# Altium PCB TUN7_PCB.PcbDoc
Units mm, origin at the board's own origin, x right, y up, seen from the top; angles counter-clockwise.
Board outline 135 x 55 mm, 2 copper layers (Top Layer, Bottom Layer); 144 components, 90 nets, 471 pads, 436 vias.
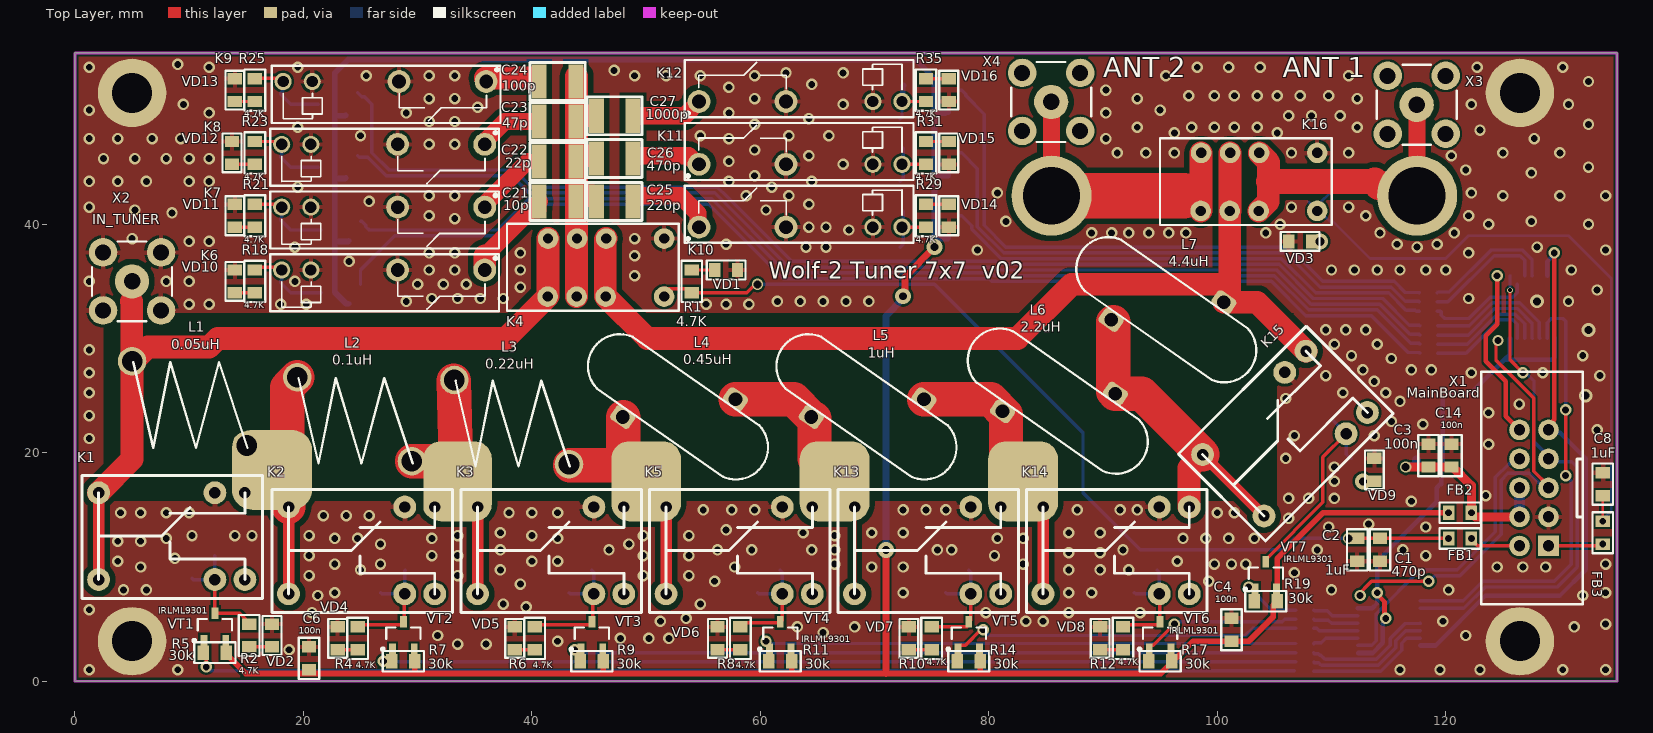
[diagram p0: Top Layer view]
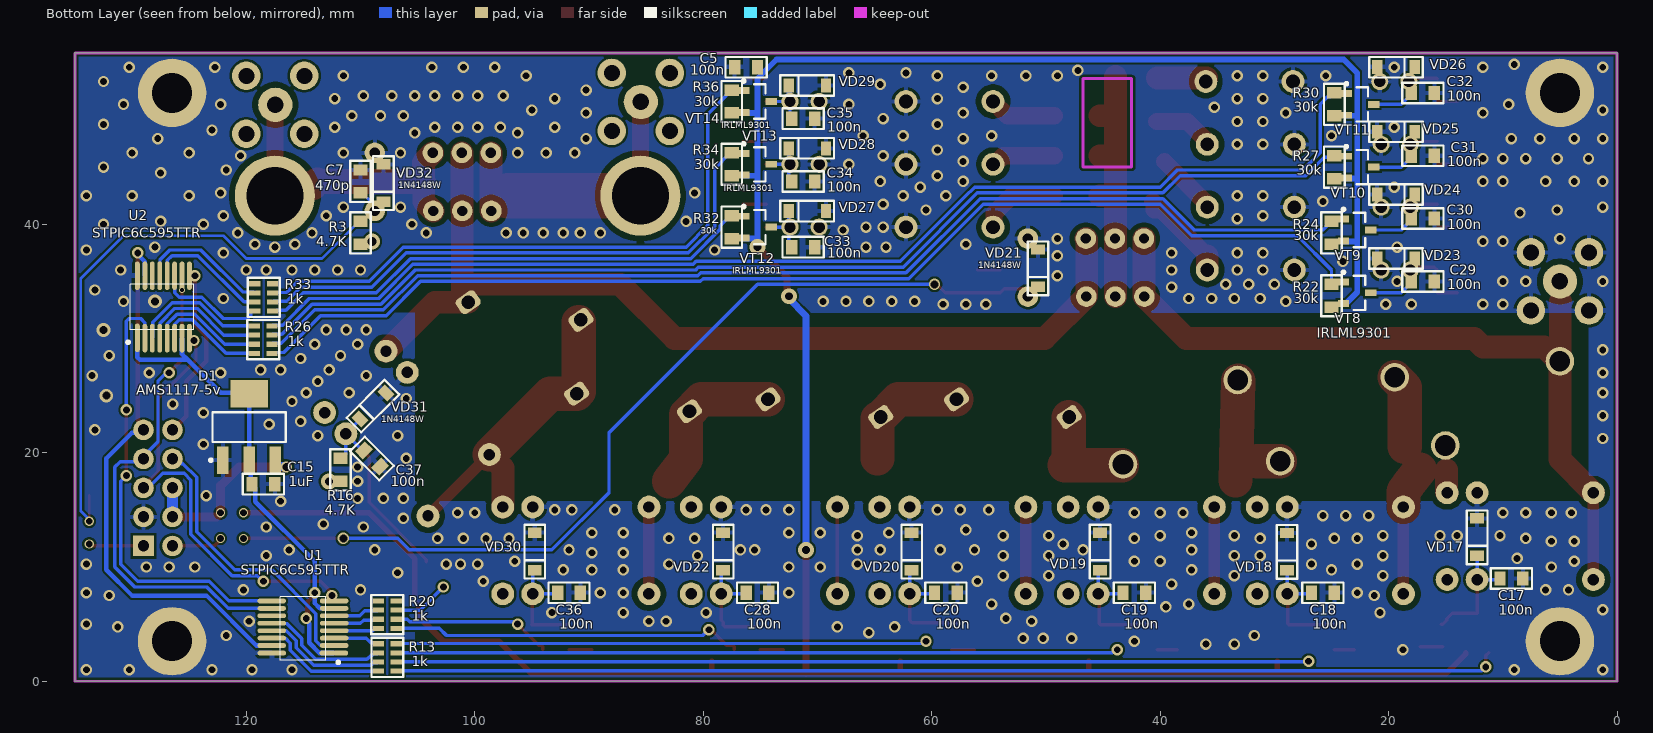
[diagram p1: Bottom Layer view, seen from below]
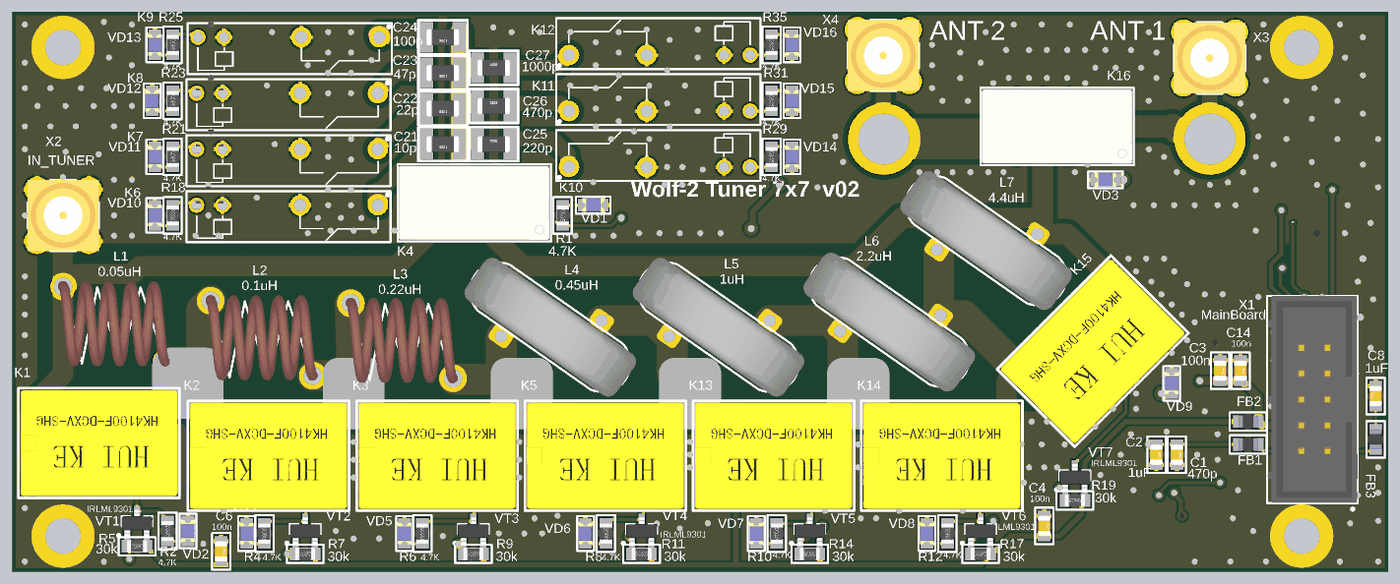
[diagram p2: 3D render of the assembled board from above, using the file's embedded part models]
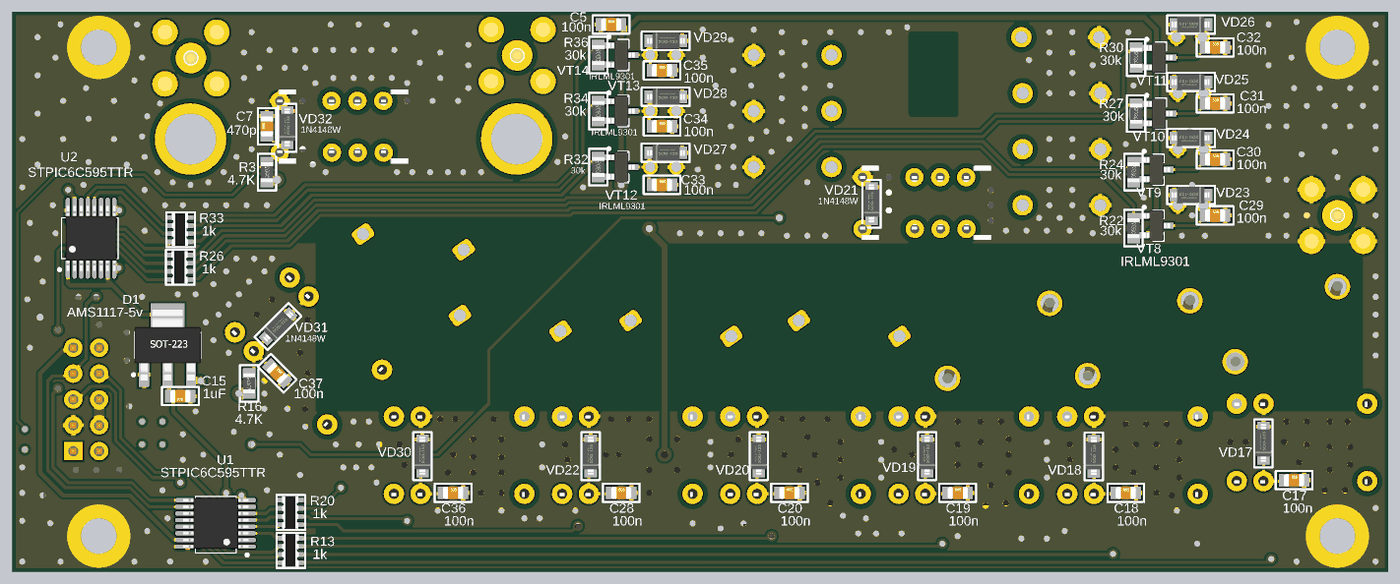
[diagram p3: 3D render of the assembled board from below, using the file's embedded part models]

## Layer stack, top to bottom
Top Solder: solder mask 0.0102, Solder Resist, Dk 3.5
Top Layer: signal copper 0.0356
Dielectric 1: dielectric 0.32, FR-4, Dk 4.8
Bottom Layer: signal copper 0.0356
Bottom Solder: solder mask 0.0102, Solder Resist, Dk 3.5

## Board outline
0,0 135,0 135,55 0,55

## Design rules (kind name [scope] priority, off if disabled: settings)
Clearance RF [InNetClass('RF')] p1: gap=0.5 ignorepadtopadclearanceinfootprint=FALSE
Clearance [All] p2: gap=0.2 ignorepadtopadclearanceinfootprint=FALSE
PolygonConnect [All] p1: connectstyle=Relief reliefconductorwidth=0.4 reliefentries=4 polygonreliefangle="90 Angle" airgapwidth=0.254
RoutingVias [All] p1: holewidth=0.711 width=1.27 viastyle="Through Hole" minholewidth=0.711 minwidth=1.27 maxholewidth=0.711 maxwidth=1.27
SolderMaskExpansion [All] p1: expansion=0.102 istentingtop=FALSE
Width [All] p1: maxlimit=5 minlimit=0.254 preferedwidth=0.508 minimp=50.000000 maximp=50.000000 favimp=50.000000
30 further rules are at their usual default settings.

## Classes and differential pairs
net class RF: ANT1 ANT2 NetC21_1 NetC21_2 NetC22_2 NetC23_2 NetC24_2 NetC25_2 NetC26_2 NetC27_2 NetK1_3 NetK1_4 NetK2_4 NetK3_4 NetK4_3 NetK5_4 NetK13_4 NetK14_4
component class TUN7_Main: C17 C18 C19 C20 C21 C22 C23 C24 C25 C26 C27 C28 C29 C30 C31 C32 C33 C34 C35 C36 C37 K1 K2 K3 K4 K5 K6 K7 K8 K9 K10 K11 K12 K13 K14 K15 K16 L1 L2 L3 L4 L5 L6 L7 VD17 VD18 VD19 VD20 VD21 VD22 VD23 VD24 VD25 VD26 VD27 VD28 VD29 VD30 VD31 VD32 X2 X3 X4
component class TUN7_Control: C1 C2 C3 C4 C5 C6 C7 C8 C14 C15 D1 FB1 FB2 FB3 R1 R2 R3 R4 R5 R6 R7 R8 R9 R10 R11 R12 R13 R14 R16 R17 R18 R19 R20 R21 R22 R23 R24 R25 R26 R27 R29 R30 R31 R32 R33 R34 R35 R36 U1 U2 VD1 VD2 VD3 VD4 VD5 VD6 VD7 VD8 VD9 VD10 VD11 VD12 VD13 VD14 VD15 VD16 VT1 VT2 VT3 VT4 VT5 VT6 VT7 VT8 VT9 VT10 VT11 VT12 VT13 VT14 X1

## Components (designator, comment, footprint, x,y, rotation, side; value= is the part's Value field where it differs from the comment)
C1 "470p" CH0805C 114.25,11.5 r270 top
C2 "1uF" CH0805C 112.25,11.5 r270 top
C3 "100n" CH0805C 118.5,19.75 r270 top
C4 "100n" CH0805C 101.25,4.5 r270 top
C5 "100n" CH0805C 76.25,53.75 r180 bottom
C6 "100n" CH0805C 20.5,2 r270 top
C7 "470p" CH0805C 110,43.75 r90 bottom
C8 "1uF" CH0805C 133.75,17.25 r90 top
C14 "100n" CH0805C 120.5,19.75 r270 top
C15 "1uF" CH0805C 118.5,17.25 r0 bottom
C17 "100n" CH0805C 9.25,9 r180 bottom
C18 "100n" CH0805C 25.75,7.75 r180 bottom
C19 "100n" CH0805C 42.25,7.75 r180 bottom
C20 "100n" CH0805C 58.75,7.75 r180 bottom
C21 "10p" CH1206ATC 42.25,42 r180 top
C22 "22p" CH1206ATC 42.25,45.5 r180 top
C23 "47p" CH1206ATC 42.25,49 r180 top
C24 "100p" CH1206ATC 42.25,52.5 r180 top
C25 "220p" CH1206ATC 47.25,42 r0 top
C26 "470p" CH1206ATC 47.25,45.75 r0 top
C27 "1000p" CH1206ATC 47.25,49.5 r0 top
C28 "100n" CH0805C 75.25,7.75 r180 bottom
C29 "100n" CH0805C 17,35 r180 bottom
C30 "100n" CH0805C 17,40.5 r180 bottom
C31 "100n" CH0805C 17,46 r180 bottom
C32 "100n" CH0805C 17,51.5 r180 bottom
C33 "100n" CH0805C 71.25,38 r180 bottom
C34 "100n" CH0805C 71.25,43.75 r180 bottom
C35 "100n" CH0805C 71.25,49.25 r180 bottom
C36 "100n" CH0805C 91.75,7.75 r180 bottom
C37 "100n" CH0805C 109,19.5 r225 bottom
D1 "AMS1117-5v" SOT223 119.75,22.25 r90 bottom
FB1 "BLM21" CH0805L 121.25,12.5 r0 top
FB2 "BLM21" CH0805L 121.25,14.75 r0 top
FB3 "BLM21" CH0805L 133.75,13 r270 top
K1 "HK4100F" NK4100F 8.575,12.7 r0 top
K2 "HK4100F" NK4100F 25.2,11.45 r0 top
K3 "HK4100F" NK4100F 41.75,11.45 r0 top
K4 "G6S-2-DC12" G6S-2-DC12 52.72,34.94 r180 top
K5 "HK4100F" NK4100F 58.25,11.45 r0 top
K6 "HF49FD" HF49FD 37.125,37.375 r180 top
K7 "HF49FD" HF49FD 37.125,42.875 r180 top
K8 "HF49FD" HF49FD 37.125,48.375 r180 top
K9 "HF49FD" HF49FD 37.25,53.875 r180 top
K10 "HF49FD" HF49FD 53.375,38.375 r0 top
K11 "HF49FD" HF49FD 53.375,43.875 r0 top
K12 "HF49FD" HF49FD 53.375,49.375 r0 top
K13 "HK4100F" NK4100F 74.75,11.45 r0 top
K14 "HK4100F" NK4100F 91.25,11.45 r0 top
K15 "HK4100F" NK4100F 106,21.75 r45 top
K16 "G6S-2-DC12" G6S-2-DC12 109.89,42.44 r180 top
L1 "0.05uH" DR1 4.975,28.05 r90 top value={Value}
L2 "0.1uH" DR1 19.447,26.667 r90 top value={Value}
L3 "0.22uH" DR1 33.197,26.417 r90 top value={Value}
L4 "0.45uH" T68-0 53,23.75 r235 top value={Value}
L5 "1uH" T68-0 69.5,23.75 r235 top value={Value}
L6 "2.2uH" T68-0 86.25,24.25 r235 top value={Value}
L7 "4.4uH" T68-0 95.75,32.25 r235 top value={Value}
R1 "4.7K" CH0805R 54,35 r270 top
R2 "4.7K" CH0805R 15.25,4 r90 top
R3 "4.7K" CH0805R 110,39.25 r90 bottom
R4 "4.7K" CH0805R 24.75,3.75 r90 top
R5 "30k" CH0805R 12.25,2.5 r180 top
R6 "4.7K" CH0805R 40.25,3.75 r90 top
R7 "30k" CH0805R 28.75,1.75 r180 top
R8 "4.7K" CH0805R 58.25,3.75 r90 top
R9 "30k" CH0805R 45.25,1.75 r180 top
R10 "4.7K" CH0805R 75,3.75 r90 top
R11 "30k" CH0805R 61.75,1.75 r180 top
R12 "4.7K" CH0805R 91.75,3.75 r90 top
R13 "1k" CAT16 108.429,0.885 r180 bottom
R14 "30k" CH0805R 78.25,1.75 r180 top
R16 "4.7K" CH0805R 111.75,18.5 r90 bottom
R17 "30k" CH0805R 95,1.75 r180 top
R18 "4.7K" CH0805R 15.75,35 r90 top
R19 "30k" CH0805R 104.25,7 r180 top
R20 "1k" CAT16 108.438,4.626 r180 bottom
R21 "4.7K" CH0805R 15.75,40.75 r90 top
R22 "30k" CH0805R 25,33.75 r90 bottom
R23 "4.7K" CH0805R 15.75,46.25 r90 top
R24 "30k" CH0805R 25,39.25 r90 bottom
R25 "4.7K" CH0805R 15.75,51.75 r90 top
R26 "1k" CAT16 119.3,28.7 r180 bottom
R27 "30k" CH0805R 24.75,45 r90 bottom
R29 "4.7K" CH0805R 74.5,40.75 r270 top
R30 "30k" CH0805R 24.75,50.5 r90 bottom
R31 "4.7K" CH0805R 74.5,46.25 r270 top
R32 "30k" CH0805R 77.5,39.75 r90 bottom
R33 "1k" CAT16 119.25,32.4 r180 bottom
R34 "30k" CH0805R 77.5,45.25 r90 bottom
R35 "4.7K" CH0805R 74.5,51.75 r270 top
R36 "30k" CH0805R 77.5,50.75 r90 bottom
U1 "STPIC6C595TTR" 16-TSOP 115.025,4.75 r0 bottom
U2 "STPIC6C595TTR" 16-TSOP 127.25,32.75 r90 bottom
VD1 "LED BLUE" "LED: 0805B" 57,36 r0 top
VD2 "LED BLUE" "LED: 0805B" 17.25,4 r90 top
VD3 "LED BLUE" "LED: 0805B" 107.25,38.5 r180 top
VD4 "LED BLUE" "LED: 0805B" 23,3.75 r90 top
VD5 "LED BLUE" "LED: 0805B" 38.5,3.75 r90 top
VD6 "LED BLUE" "LED: 0805B" 56.25,3.75 r90 top
VD7 "LED BLUE" "LED: 0805B" 73,3.75 r90 top
VD8 "LED BLUE" "LED: 0805B" 89.75,3.75 r90 top
VD9 "LED BLUE" "LED: 0805B" 113.75,18.5 r90 top
VD10 "LED BLUE" "LED: 0805B" 14,35 r90 top
VD11 "LED BLUE" "LED: 0805B" 14,40.75 r90 top
VD12 "LED BLUE" "LED: 0805B" 13.75,46.25 r90 top
VD13 "LED BLUE" "LED: 0805B" 14,51.75 r90 top
VD14 "LED BLUE" "LED: 0805B" 76.5,40.75 r270 top
VD15 "LED BLUE" "LED: 0805B" 76.5,46.25 r270 top
VD16 "LED BLUE" "LED: 0805B" 76.5,51.75 r270 top
VD17 "1N4148W" SOD123 12.25,14.25 r270 bottom
VD18 "1N4148W" SOD123 28.9,12.975 r270 bottom
VD19 "1N4148W" SOD123 45.25,13 r270 bottom
VD20 "1N4148W" SOD123 61.75,13 r270 bottom
VD21 "1N4148W" SOD123 50.7,37.791 r270 bottom
VD22 "1N4148W" SOD123 78.25,13 r270 bottom
VD23 "1N4148W" SOD123 21,37 r180 bottom
VD24 "1N4148W" SOD123 21,42.6 r180 bottom
VD25 "1N4148W" SOD123 21,48.1 r180 bottom
VD26 "1N4148W" SOD123 21,53.75 r180 bottom
VD27 "1N4148W" SOD123 69.25,41.15 r0 bottom
VD28 "1N4148W" SOD123 69.25,46.65 r0 bottom
VD29 "1N4148W" SOD123 69.25,52.15 r0 bottom
VD30 "1N4148W" SOD123 94.75,13 r270 bottom
VD31 "1N4148W" SOD123 107.75,25.25 r315 bottom
VD32 "1N4148W" SOD123 108,45.25 r270 bottom
VT1 "IRLML9301" SOT23_132 12.25,4.75 r90 top
VT2 "IRLML9301" SOT23_132 28.75,4 r90 top
VT3 "IRLML9301" SOT23_132 45.25,4 r90 top
VT4 "IRLML9301" SOT23_132 61.75,4 r90 top
VT5 "IRLML9301" SOT23_132 78.25,4 r90 top
VT6 "IRLML9301" SOT23_132 95,4 r90 top
VT7 "IRLML9301" SOT23_132 104.25,9.25 r90 top
VT8 "IRLML9301" SOT23_132 22.75,34 r180 bottom
VT9 "IRLML9301" SOT23_132 22.75,39.5 r180 bottom
VT10 "IRLML9301" SOT23_132 22.5,45 r180 bottom
VT11 "IRLML9301" SOT23_132 22.5,50.5 r180 bottom
VT12 "IRLML9301" SOT23_132 75.25,39.75 r180 bottom
VT13 "IRLML9301" SOT23_132 75.25,45.25 r180 bottom
VT14 "IRLML9301" SOT23_132 75.25,50.75 r180 bottom
X1 "MainBoard" "CON: BH-10" 129,11.84 r90 top
X2 "IN_TUNER" "CON: SMA" 5,35 r0 top
X3 "ANT1" "CON: SMA" 117.46,50.46 r0 top
X4 "ANT2" "CON: SMA" 85.46,50.71 r0 top

## Footprints (in the part's own frame and the unit in brackets; to place one, negate y for a bottom-side part, rotate by r counter-clockwise, add the part's x,y. Pads: shape width x height; smd on the part's side, far side on the other; paste and mask are expansions set on the pad)
16-TSOP [mm]
  oval 2.5x0.42 smd: 1(-2.692,2.286) 2(-2.719,1.625) 3(-2.719,0.975) 4(-2.719,0.325) 5(-2.719,-0.325) 6(-2.719,-0.975) 7(-2.719,-1.625) 8(-2.719,-2.275) 9(2.745,-2.275) 10(2.745,-1.625) 11(2.745,-0.975) 12(2.745,-0.325) 13(2.745,0.325) 14(2.745,0.975) 15(2.745,1.625) 16(2.743,2.286)
  silkscreen extent -3.2,-2.65 2,3.22, body extent -3.2,-2.5 3.2,2.5, height 1.2
CAT16 [mm]
  rect 1x0.45 smd: 1(0,0) 2(0,0.8) 3(0,1.6) 4(0,2.4) 5(1.55,0) 6(1.55,0.8) 7(1.55,1.6) 8(1.55,2.4)
  silkscreen extent -0.61,-0.52 2.17,2.92, body extent -0.07,-0.4 1.53,2.8, height 0.5
CH0805C [mm] "Chip Capacitor, 2-Leads, Body 2,00x1,20mm, IPC Medium Density"
  rect 1x1.25 smd: 1(-1,0) 2(1,0)
  silkscreen extent -1.8,-0.9 1.8,0.9, body extent -1,-0.62 1,0.63, height 0.78
CH0805L [mm]
  rect 1x1.25 smd: 1(-1,0) 2(1,0)
  silkscreen extent -1.8,-0.9 1.8,0.9, body extent -1,-0.62 1,0.63, height 0.85
CH0805R [mm]
  rect 1x1.25 smd: 1(-1,0) 2(1,0)
  silkscreen extent -1.8,-0.9 1.8,0.9, body extent -1,-0.6 1,0.6, height 0.44
CH1206ATC [mm] "Chip Resistor, Body 3.2x1.6mm, EIA 1206, IPC Medium Density"
  rect 1.3x3 smd: 1(-1.6,0) 2(1.6,0)
  silkscreen extent -2.43,-1.67 2.4,1.67, body extent -1.6,-0.8 1.6,0.8, height 1
"CON: BH-10" [mm] "Connector; Header; 10 Position"
  rect 1.8x1.8 hole 1: 1(0,0)
  round 1.8 hole 1: 2(0,2.54) 3(2.54,0) 4(2.54,2.54) 5(5.08,0) 6(5.08,2.54) 7(7.62,0) 8(7.62,2.54) 9(10.16,0) 10(10.16,2.54)
  round 0.5 on Top Overlay: ""(-5.7,-2.5)
  round 0.5 on Mech1: ""(-4.5,-2.5)
  silkscreen extent -5.1,-3 15.25,5.9, body extent -5.07,-2.98 15.23,5.87, height 2.77
"CON: SMA" [mm]
  round 3 hole 1.45: 1(0,0)
  round 2.5 hole 1.4: 2(-2.54,-2.54) 2(-2.54,2.54) 2(2.54,-2.54) 2(2.54,2.54)
  silkscreen extent -3.5,-3.5 3.5,3.5, body extent -3.5,-3.5 3.5,3.5, height 9.53
DR1 [mm]
  round 2.5 hole 1.8: 1(-7.417,-10.053) 2(-0.05,-0.025)
  silkscreen extent -7.62,-10.13 -0.12,-0.13, body extent -7.9,-10.53 0.5,0.48, height 8.6
G6S-2-DC12 [mm]
  round 1.8 hole 0.9: 1(1.14,1.27) 3(6.261,1.27) 4(8.801,1.27) 5(11.341,1.27) 8(11.3,-3.81) 9(8.76,-3.81) 10(6.22,-3.81) 12(1.14,-3.81)
  silkscreen extent -0.14,-5.1 14.9,2.5, body extent 0,-4.95 14.8,2.35, height 8.55
HF49FD [mm]
  round 2 hole 1.2: 1(1.25,1.375) 2(8.875,1.375)
  round 1.5 hole 1: 3(16.475,1.375) 4(19.025,1.375)
  silkscreen extent 0,0 20.02,5
"LED: 0805B" [mm]
  rect 1x1.25 smd: 1(-1,0) 2(1,0)
  silkscreen extent -1.7,-0.82 1.7,0.82, body extent -1.05,-0.67 1.05,0.68, height 0.9
NK4100F [mm]
  round 2 hole 1: 1(3.675,3.8) 2(3.675,-3.8) 3(-6.5,-3.8) 3(-6.5,3.8) 4(6.3,3.8) 5(6.3,-3.8)
  silkscreen extent -7.95,-5.45 7.85,5.32, body extent -7.75,-5.26 7.65,5.14, height 11.81
SOD123 [mm]
  rect 0.91x1.22 smd: 1(0,0) 2(3.275,0)
  round 0.5 on Mech1: 4(3,0.4)
  silkscreen extent -0.7,-0.9 4,0.9, body extent -0.25,-0.8 3.45,0.8, height 1.25
SOT23_132 [mm] "SOT23, 3-Leads, Body 3,0x2,6mm (max), Pitch 0,95mm, IPC Medium Density"
  rect 1x0.6 smd: 1(-1.2,0.95) 2(-1.2,-0.95) 3(1.2,0)
  round 0.5 on Mech1: ""(-0.9,1.1)
  silkscreen extent -1.32,-1.5 0.7,1.92, body extent -1.32,-1.52 1.32,1.52, height 1.12
SOT223 [mm] "SOT223, 4-Leads, Body 6,50x7,00mm (avg), Pitch 2,30mm, IPC Medium Density"
  rect 2.4x1 smd: 1(-2.9,2.3) 2(-2.9,0) 3(-2.9,-2.3)
  rect 2.4x3.3 smd: 4(2.9,0)
  round 0.5 on Mech1: ""(-3,2.7)
  silkscreen extent -3.02,-3.2 1.3,3.48, body extent -3.48,-3.25 3.48,3.25, height 1.65
T68-0 [mm]
  rrect50% 1.524x2 hole 1.2: 1(-3.525,3.425) 2(3.4,-3.775)
  silkscreen extent -2.85,-9.32 2.65,8.67, body extent -2.6,-9.32 2.4,8.68, height 18

## Part data
C1 C2 C3 C4 C5 C6 C7 C8 C14 C15 C17 C18 C19 C20 C21 C22 C23 C24 C25 C26 C27 C28 C29 C30 C31 C32 C33 C34 C35 C36 C37: library part Capacitor
D1: library part NCP1117LPST50T3G, "LDO", Manufacturer="ON Semiconductor", ComponentKind=SOT-223, HelpURL=https://www.digikey.com/product-detail/en/on-semiconductor/NCP1117LPST50T3G/NCP1117LPST50T3GOSCT-ND/5801728, Model=NCP1117LPST50T3G
FB1 FB2 FB3: library part FB-1
K1 K2 K3 K5 K13 K14 K15: library part NK4100F
K4 K16: library part G6S-2-DC12V_2
K6 K7 K8 K9 K10 K11 K12: library part "HF49FD 012-1H12"
L1 L2 L3 L4 L5 L6 L7: library part "Inductor ring"
R1 R2 R3 R4 R5 R6 R7 R8 R9 R10 R11 R12 R14 R16 R17 R18 R19 R21 R22 R23 R24 R25 R27 R29 R30 R31 R32 R34 R35 R36: library part Resistor
R13 R20 R26 R33: library part CAT10-0804
VD1 VD2 VD3: library part LED_single, Color="LPF 160m", Temperature=-55...+150°C, ValueManufacturerPartNumber="LED, *, *, *, -55...+150°C", TypeDiode=LED
VD4 VD11: library part LED_single, Color="LPF 80m", Temperature=-55...+150°C, ValueManufacturerPartNumber="LED, *, *, *, -55...+150°C", TypeDiode=LED
VD5 VD12: library part LED_single, Color="LPF 40", Temperature=-55...+150°C, ValueManufacturerPartNumber="LED, *, *, *, -55...+150°C", TypeDiode=LED
VD6 VD13: library part LED_single, Color="LPF 20", Temperature=-55...+150°C, ValueManufacturerPartNumber="LED, *, *, *, -55...+150°C", TypeDiode=LED
VD7 VD14: library part LED_single, Color="LPF 15", Temperature=-55...+150°C, ValueManufacturerPartNumber="LED, *, *, *, -55...+150°C", TypeDiode=LED
VD8 VD15: library part LED_single, Color="LPF 10", Temperature=-55...+150°C, ValueManufacturerPartNumber="LED, *, *, *, -55...+150°C", TypeDiode=LED
VD9 VD10 VD16: library part LED_single, Color="LPF 6", Temperature=-55...+150°C, ValueManufacturerPartNumber="LED, *, *, *, -55...+150°C", TypeDiode=LED
VD17 VD18 VD19 VD20 VD21 VD22 VD23 VD24 VD25 VD26 VD27 VD28 VD29 VD30 VD31 VD32: library part Diod
VT1 VT2 VT3 VT4 VT5 VT6 VT7 VT8 VT9 VT10 VT11 VT12 VT13 VT14: "Mosfet"
X1: library part IDC10, "2*5 Pin"
X2 X3 X4: library part SMA, "RF"

## Free pads (board coordinates)
  round 6 hole 3.5: 16(5,3.5) 17(5,51.5) 18(126.5,51.5) 19(126.5,3.5)
  round 7 hole 5: 20(85.5,42.5) 20(117.5,42.5)
  rrect50% 7x7 smd mask+0.102: 21(17.25,18.5)
  rrect50% 6x7 smd mask+0.102: 22(33.5,17.5)
  rrect50% 6.1x7 smd mask+0.102: 23(50,17.5) 24(66.5,17.5) 25(83,17.5)

## Via types
v1: diameter 1, hole 0.6, Top Layer to Bottom Layer, tented both sides, 418 vias
v2: diameter 0.8, hole 0.6, Top Layer to Bottom Layer, tented both sides, 6 vias
v3: diameter 1.4, hole 0.7, Top Layer to Bottom Layer, tented both sides, 4 vias
v4: diameter 1.2, hole 0.7, Top Layer to Bottom Layer, tented both sides, 3 vias
v5: diameter 1, hole 0.7, Top Layer to Bottom Layer, tented both sides, 3 vias
v6: diameter 0.5, hole 0.35, Top Layer to Bottom Layer, tented both sides, 1 vias
v7: diameter 1.4, hole 0.8, Top Layer to Bottom Layer, tented both sides, 1 vias

## Nets (pads, with @x,y where several pads share a name; then routed paths per layer and width w, separated by ;. In a path a pad name is that pad's centre, name@x,y a point inside that pad or via, vN(x,y) a via of type N, cw(c..) or ccw(c..) an arc to the next point about the centre after c; other vN are vias at no path point)
+5V_T: C15.2 D1.2 D1.4 U1.1 U1.7 U2.1 U2.7 | length 44.8
  Top Layer w0.4: v1(114,7.75) 114,7.588 114.641,6.946 114.641,5.615 v1(114.756,5.5)
  Bottom Layer w0.4: U1.7 112.31,6.379 113.562,6.379 114.025,6.841 114.025,7.725 v1(114,7.75) 114,10.523 119.2,15.723 119.2,16.95 C15.2 ; U1.1 112.337,2.468 113.609,2.468 114.5,3.359 114.5,5.082 114.756,5.338 v1(114.756,5.5) ; C15.2@119.6,17.25 119.6,18.5 119.75,18.65 D1.2 D1.4 119.85,25.25 122.25,25.25 125.125,28.125 ; U2.7 125.625,28.625 125.125,28.125 ; U2.1 129.536,28.359 129.302,28.125 125.125,28.125
+12V: C3.2 C14.2 D1.3 FB2.2 X1.4 X1.6 | length 16.7
  Top Layer w0.8: v5(116.5,18.75) C3.2 C14.2 120.625,18.75 122.25,17.125 v2(122.25,14.75) ; FB2.2@122.6,14.38 X1.4
  Bottom Layer w0.8: v5(116.5,18.75) 116.538,18.788 117.35,18.788 117.45,18.888 D1.3
  Bottom Layer w1: X1.4 X1.6
+12V_TUN: C4.2 C5.2 C6.2 FB2.1 R5.1 R7.1 R9.1 R11.1 R14.1 R17.1 R19.1 R22.1 R24.1 R27.1 R30.1 R32.1 R34.1 R36.1 VT1.2 VT2.2 VT3.2 VT4.2 VT5.2 VT6.2 VT7.2 VT8.2 VT9.2 VT10.2 VT11.2 VT12.2 VT13.2 VT14.2 | length 255.7
  Top Layer w0.5: R5.1 13.25,2.375 14.95,0.675 29.75,0.675 ; R7.1 29.75,0.675 ; R9.1 46.25,0.675 ; R11.1 62.75,0.675 ; R14.1 79.25,0.675 ; R17.1 96,1.625 95.05,0.675 79.25,0.675 ; R17.1@96.063,1.687 97.875,3.5 C4.2 102.75,3.5 104.9,5.65 104.9,6.65 R19.1 105.25,10.75 109.25,14.75 v2(120.25,14.75) ; 29.75,0.675 46.25,0.675 ; 46.25,0.675 62.75,0.675 ; 62.75,0.675 71,0.675 79.25,0.675
  Top Layer w0.6: 71,0.675 v3@71,11.25 ; v3(72.5,33.7) 72.653,33.853 72.653,35.403 v3(75.25,38)
  Bottom Layer w0.5: VT10.2 23.65,44 22.75,44 ; VT11.2 23.65,49.5 22.75,49.5 ; VT8.2 23.75,33.05 22.75,34.05 22.75,38.5 ; VT9.2 23.9,38.5 22.75,38.5 ; v3(75.25,38) 75.25,38.75 ; VT12.2 76.4,38.75 75.25,38.75 ; VT13.2 76.4,44.25 75.25,44.25 ; VT14.2 76.25,49.8 76.2,49.75 75.25,49.75 ; 22.75,38.5 22.75,44 ; 22.75,44 22.75,49.5 ; 22.75,49.5 22.75,53.25 23.923,54.423 73.577,54.423 75.25,52.75 75.25,49.75 ; 75.25,38.75 75.25,44.25 ; 75.25,44.25 75.25,49.75
  Bottom Layer w0.6: v3(71,11.5) 71,31.984 72.5,33.484 v3(72.5,33.7)
ANT1: K16.3 K16.10 pad.20@117.5,42.5 X3.1 | length 25.9
  Top Layer w1.5: X3.1 117.48,50.44 pad.20@117.48,43.75
  Top Layer w2: K16.3 104.459,42 104.459,43.209 104.5,43.25 ; K16.10 104.5,45.42 104.5,43.73
  Top Layer w2.2: 104.5,43.73 113.786,43.73
  Top Layer w2.5: 113.786,43.73 114.155,43.361 115.861,43.361 116.25,43.75 pad.20@117.5,42.5
ANT2: K16.5 K16.8 pad.20@85.5,42.5 X4.1 | length 27
  Top Layer w1.5: pad.20@85.48,42.52 X4.1@85.48,50.69
  Top Layer w2: X4.1 X4.1@85.48,50.69 ; pad.20@85.48,42.52 pad.20@85.5,42.5 ; 97.074,42.5 98.569,43.995 ; K16.5 98.569,41.19 98.569,43.995 ; K16.8 98.569,46.229 98.569,43.995
  Top Layer w4: pad.20@85.5,42.5 97.074,42.5
GND: C1.2 C2.2 C3.1 C4.1 C5.1 C6.1 C7.2 C8.2 C14.1 C15.1 C17.2 C18.2 C19.2 C20.2 C28.2 C29.2 C30.2 C31.2 C32.2 C33.2 C34.2 C35.2 C36.2 C37.2 D1.1 K1.1 K2.1 K3.1 K4.12 K5.1 K6.2 K6.3 K7.2 K7.3 K8.2 K8.3 K9.2 K9.3 K10.2 K10.3 K11.2 K11.3 K12.2 K12.3 K13.1 K14.1 K15.1 K16.12 pad.16 pad.17 pad.18 pad.19 U1.16 U2.16 VD1.2 VD2.2 VD3.2 VD4.2 VD5.2 VD6.2 VD7.2 VD8.2 VD9.2 VD10.2 VD11.2 VD12.2 VD13.2 VD14.2 VD15.2 VD16.2 VD17.1 VD18.1 VD19.1 VD20.1 VD21.1 VD22.1 VD23.1 VD24.1 VD25.1 VD26.1 VD27.1 VD28.1 VD29.1 VD30.1 VD31.1 VD32.1 X1.3 X2.2
  other v1: 1.25,1 9,1 116,1 119.5,1 123,1 130.25,1 134,1 18.75,2.75 33.5,3.25 36,3.25 42.25,3.5 47.75,3.75 50.25,3.75 52,3.75 31.75,4 121.75,4 65.5,4.25 63.25,4.75 68.25,4.75 131.25,4.75 134,5 51.25,5.25 83.25,5.25 84.75,5.25 119.75,5.25 53.5,5.5 20.75,6 79.75,6 87,6 93.25,6 1.25,6.25 39.5,6.5 37.5,6.75 54.75,6.75 21.25,7.5 132,7.5 22.75,7.75 72.5,7.75 87,7.75 89,7.75 134,7.75 4.25,8 6.25,8 110,8 120.25,8 39,8.5 56,8.75 99.25,8.75 20.5,9.25 33.5,9.25 49.75,9.25 53.75,9.25 106.75,9.5 25,9.75 37.25,9.75 87,9.75 89.75,9.75 92.25,9.75 5.75,10 57.75,10 69.75,10 72.5,10 124.5,10 126.75,10 128.75,10 22.75,10.25 26.75,10.25 66.5,10.25 83,10.25 99.75,10.25 101.25,10.25 102.5,10.25 134,10.25 3.75,10.5 40,10.5 42.25,10.5 96.5,10.5 8.75,10.75 20.5,11 31.25,11 33.5,11 49.75,11 53.75,11 80.5,11 118.25,11 87,11.25 89.75,11.25 37.25,11.5 46.75,11.5 56.25,11.5 59.25,11.5 64.5,11.5 66.5,11.5 75.5,11.5 76.75,11.5 91.75,11.5 108.75,11.5 116.25,11.5 26.75,12 48.5,12 3.75,12.25 5.75,12.25 8,12.5 22.75,12.5 24.75,12.5 31.25,12.5 42.25,12.5 80.75,12.5 83,12.5 97,12.5 99,12.5 101,12.5 103.25,12.5 10.25,12.75 14,12.75 15.5,12.75 20.5,12.75 33.5,12.75 40,12.75 49.75,12.75 53.75,12.75 66.5,12.75 37.25,13 63.75,13 69.75,13 72.5,13 87,13 89.75,13 57,13.25 109.75,13.5 118.25,13.5 113.25,13.75 106.25,14.25 21.75,14.5 23.75,14.5 25.75,14.5 4,14.75 5.75,14.75 8,14.75 10,14.75 38,14.75 40,14.75 42.25,14.75 100,14.75 101.5,14.75 55,15 57.5,15 59.5,15 72.5,15 74.5,15 76.25,15 87.75,15 91.5,15 93,15 117,15.75 106.25,16 108,16 110.25,16 123.5,16.25 110.25,17.5 110.25,18.75 106,19.5 123.75,20.75 1.25,21.25 106.75,21.5 113.75,21.5 133.25,22 118,22.5 115.25,22.75 1.25,23.25 123.75,23.5 126.441,24.257 116,24.5 106,24.75 1.25,25.25 111,25.25 114.75,25.25 113.75,26.25 109.5,26.75 133.5,26.75 1.25,27 122.25,27 128.5,27 112.75,27.25 117,27.25 118.75,27.25 115.25,28.25 111.75,28.5 132,28.5 1.25,29 110.25,29.5 114,29.5 109.5,30.75 111.25,30.75 113,30.75 10,33 11.75,33 18,33 20.25,33 55.25,33 57,33 59,33 29,33.25 61.5,33.25 63.5,33.25 65.5,33.25 67.5,33.25 69.5,33.25 130.75,33.25 31.25,33.5 33.5,33.5 35.5,33.5 37.5,33.5 122,33.5 133.25,34.25 39,34.5 30,34.75 32.25,34.75 34.25,34.75 1.25,35 8,35 10,35 19.25,35 49,35.5 31,36 33.25,36 39,36 110,36 112,36 114,36 116,36 118.25,36 120,36 131,36 24,36.75 49,37.25 31,37.5 33.25,37.5 39,37.5 122,37.5 79,37.75 134,37.75 19.25,38 64,38 65.75,38 117.5,38 128,38 57,38.25 115.75,38.25 119.25,38.25 10,38.5 11.75,38.5 5,38.75 49,38.75 89,39.25 90.75,39.25 92.25,39.25 94,39.25 95.75,39.25 97.25,39.25 104.25,39.25 114.25,39.25 120.75,39.25 67.75,39.5 64.25,39.75 65.75,39.75 105.5,40 123.75,40 132.5,40 81.5,40.25 127.5,40.25 33.25,40.5 31,40.75 113,40.75 122,40.75 8.5,41 5.25,41.25 60.5,41.25 1.25,41.5 106.5,41.5 111.5,41.5 64.25,41.75 25.75,42 31,42.5 33.25,42.5 58.75,42.5 62.5,42.5 125,42.5 130,42.5 134,42.5 80.75,42.75 122.25,42.75 19.5,43.25 61,43.25 1.25,43.75 3.75,43.75 6.25,43.75 10,43.75 11.75,43.75 57.25,43.75 64.5,43.75 59.5,44.25 127.5,44.5 121.75,44.75 132.5,45 67.25,45.25 57.25,45.5 2.5,45.75 5.25,45.75 8,45.75 10,45.75 11.75,45.75 64.25,46 120.5,46 91.25,46.25 93.75,46.25 96.25,46.25 106.5,46.25 111.5,46.25 125,46.25 130,46.25 59.5,46.5 31,47 33.25,47 1.25,47.5 3.75,47.5 6.75,47.5 9.25,47.5 57.25,47.5 90.25,47.5 127.75,47.5 25,47.75 54.75,47.75 62.5,47.75 66,47.75 96.25,48 105.25,48 123,48.25 19.5,48.5 93,48.5 97.75,48.5 99.75,48.5 101.5,48.5 103.5,48.5 112.25,48.5 59.5,48.75 132.5,48.75 31,49 33.25,49 64.25,49.25 106.25,49.5 108.25,49.5 110.75,49.5 11.75,49.75 29,49.75 57.25,49.75 90.25,49.75 1.25,50 95,50 35.25,50.25 9.5,50.5 67.25,50.5 122.25,50.5 130.75,50.5 31,51 33.25,51 59.5,51 93,51 112.25,51 97.5,51.25 99.75,51.25 101.5,51.25 103.5,51.25 105.25,51.25 107.25,51.25 109.75,51.25 90.25,51.75 57.25,52 64.5,52.25 132.5,52.5 25.5,53 31,53 33.25,53 49,53 51.75,53 54.75,53 59.5,53 95.5,53 111.5,53 62.25,53.25 67.25,53.25 47.197,53.473 1.25,53.75 11.75,53.75 19.5,53.75 98.25,53.75 101,53.75 103.75,53.75 122.75,53.75 130.25,53.75 9,54
  other v4: 132.25,25 132.5,30.75 128,33.25
K_ANT: C7.1 C8.1 FB3.1 K16.1 R3.2 VD32.2 | length 57
  Top Layer w0.254: v2(133.75,14) C8.1
  Bottom Layer w0.254: VD32.2 108.75,41.225 K16.1 ; C7.1 109.875,42.75 109.046,41.921 109.046,41.465 K16.1 ; v2(133.75,14) 133.75,14.148 134.492,14.89 134.492,35.258 130.75,39 122,39 120,37 113.375,37 110.125,40.25 R3.2 109.875,40.25 108.955,41.17 K16.1
K_C1: C29.1 K6.4 R18.2 VD23.2 VT8.3 | length 7.8
  Top Layer w0.3: R18.2 16,36.25 K6.4@18.1,36.25
  Bottom Layer w0.3: K6.4@18.1,36.25 18.1,35.1 C29.1 18,34.875 18.875,34 VT8.3
K_C2: C30.1 K7.4 R21.2 VD24.2 VT9.3 | length 7.7
  Top Layer w0.3: R21.2 K7.4@18.1,41.75
  Bottom Layer w0.3: K7.4@18.1,41.75 18.1,40.6 C30.1 18,40.375 18.875,39.5 VT9.3
K_C3: C31.1 K8.4 R23.2 VD25.2 VT10.3 | length 7.4
  Top Layer w0.3: R23.2 K8.4@18.1,47.25
  Bottom Layer w0.3: K8.4@18.1,47.25 18.1,46.1 C31.1 18,45.875 18.875,45 VT10.3
K_C4: C32.1 K9.4 R25.2 VD26.2 VT11.3 | length 7.6
  Top Layer w0.3: R25.2 15.8,52.8 K9.4@18.175,52.8
  Bottom Layer w0.3: K9.4@18.175,52.8 18.175,51.675 C32.1 18,51.375 18.875,50.5 VT11.3
K_C5: C33.1 K10.4 R29.2 VD27.2 VT12.3 | length 7
  Top Layer w0.3: K10.4 R29.2
  Bottom Layer w0.3: C33.1 72.525,38.275 K10.4@72.525,39.75 ; K10.4 K10.4@72.525,39.75 ; VD27.2 K10.4@72.525,39.75 ; VT12.3 K10.4@72.525,39.75
K_C6: C34.1 K11.4 R31.2 VD28.2 VT13.3 | length 6.8
  Top Layer w0.3: K11.4 R31.2
  Bottom Layer w0.3: C34.1 72.525,44.025 K11.4@72.525,45.25 ; K11.4 K11.4@72.525,45.25 ; VD28.2 K11.4@72.525,45.25 ; VT13.3 K11.4@72.525,45.25
K_C7: C35.1 K12.4 R35.2 VD29.2 VT14.3 | length 6.8
  Top Layer w0.3: K12.4 R35.2
  Bottom Layer w0.3: C35.1 72.4,49.4 K12.4 VT14.3
  Bottom Layer w0.5: K12.4 72.462,50.813 72.462,52.087 VD29.2
K_L1: C17.1 K1.2 R2.2 VD17.2 VT1.3 | length 10.7
  Top Layer w0.3: K1.2 VT1.3 14.425,5.95 14.9,5.475 14.9,5.35 15.25,5 R2.2@15.375,5
  Bottom Layer w0.3: C17.1 10.35,8.9 K1.2 VD17.2
K_L2: C18.1 K2.2 R4.2 VD18.2 VT2.3 | length 11
  Top Layer w0.3: R4.2@24.75,4.95 28.75,4.95 28.813,5.013 28.813,7.587 K2.2
  Bottom Layer w0.3: C18.1 26.85,7.65 K2.2 28.875,9.675 VD18.2
K_L3: C19.1 K3.2 R6.2 VD19.2 VT3.3 | length 12.2
  Top Layer w0.3: R6.2 40.45,4.95 45.25,4.95 45.338,5.037 45.338,7.563 K3.2
  Bottom Layer w0.3: C19.1 43.35,7.65 K3.2 45.425,9.55 VD19.2
K_L4: C20.1 K5.2 R8.2 VD20.2 VT4.3 | length 10.9
  Top Layer w0.3: R8.2@57.85,5.1 58.125,5.1 58.15,5.125 61.725,5.125 61.925,5.325 K5.2
  Bottom Layer w0.3: C20.1 59.85,7.65 K5.2 61.925,9.55 VD20.2
K_L5: C28.1 K13.2 R10.2 VD22.2 VT5.3 | length 10.5
  Top Layer w0.3: R10.2 78.1,4.75 78.25,4.9 78.25,5.15 78.425,5.325 K13.2
  Bottom Layer w0.3: C28.1 76.35,7.65 K13.2 78.425,9.55 VD22.2
K_L6: C36.1 K14.2 R12.2 VD30.2 VT6.3 | length 10.4
  Top Layer w0.3: R12.2 91.95,4.95 95,4.95 94.962,4.988 94.962,7.612 K14.2
  Bottom Layer w0.3: C36.1 92.85,7.65 K14.2 94.925,9.55 VD30.2
K_L7: C37.1 K15.2 R16.2 VD31.2 VT7.3 | length 20.5
  Top Layer w0.3: VT7.3 104.25,10.65 109.25,15.65 109.25,19.626 K15.2
  Bottom Layer w0.3: C37.1 109.831,20.207 K15.2 ; VD31.2 110.066,22.881 K15.2 ; R16.2 111.636,19.5 111.286,19.85 K15.2
K_T: C1.1 C2.1 FB1.1 K4.1 R1.2 VD21.2 | length 81.3
  Top Layer w0.3: K4.1@51.58,34.42 51.65,34.35 53.65,34.35 R1.2 58.811,34 59.561,34.75 v5(59.75,34.75) ; C2.1 C1.1 v2(120.25,12.5)
  Bottom Layer w0.3: v5(59.75,34.75) 75.25,34.75 88.25,21.75 88.25,16.5 93.25,11.5 105.75,11.5 106.75,12.5 v5@111.25,12.5
  other v5: 111.5,12.5
KEY_C1: R22.2 R26.5 VT8.1 | length 101.8
  Bottom Layer w0.3: R22.2 25,36 28,39 37.25,39 40,41.75 55.5,41.75 62,35.25 80.007,35.25 80.257,35 104.75,35 107.75,32 113.5,32 116.725,28.775 117.675,28.775 R26.5
KEY_C2: R24.2 R26.6 VT9.1 | length 99.6
  Bottom Layer w0.3: R24.2 25.125,40.25 25.475,39.9 25.475,39.775 25.75,39.5 37,39.5 39.75,42.25 55.75,42.25 62.25,35.75 80.214,35.75 80.464,35.5 105,35.5 108,32.5 114,32.5 116.925,29.575 117.675,29.575 R26.6
KEY_C3: R26.7 R27.2 VT10.1 | length 99.5
  Bottom Layer w0.3: R27.2 24.899,45.851 25.649,45.851 27.25,44.25 38.25,44.25 39.75,42.75 56,42.75 62.5,36.25 80.422,36.25 80.672,36 105.207,36 108.207,33 114.25,33 116.875,30.375 117.675,30.375 R26.7
KEY_C4: R26.8 R30.2 VT11.1 | length 103.9
  Bottom Layer w0.3: R30.2 25.1,51.15 25.35,51.15 26,50.5 26,46.25 27.5,44.75 38.5,44.75 39.992,43.258 56.242,43.258 56.33,43.17 57.001,42.499 62.75,36.75 80.629,36.75 80.879,36.5 105.414,36.5 108.414,33.5 114.5,33.5 116.825,31.175 117.675,31.175 R26.8
KEY_C5: R32.2 R33.5 VT12.1 | length 43.8
  Bottom Layer w0.3: R32.2 77.625,40.75 78.5,39.875 78.5,39.586 81.086,37 105.621,37 108.621,34 115,34 116.525,32.475 117.35,32.475 117.425,32.4 R33.5
KEY_C6: R33.6 R34.2 VT13.1 | length 48.6
  Bottom Layer w0.3: R34.2 77.625,46.25 79,44.875 79,39.793 81.293,37.5 106,37.5 109,34.5 115.25,34.5 116.475,33.275 117.625,33.275 R33.6
KEY_C7: R33.7 R36.2 VT14.1 | length 53.3
  Bottom Layer w0.3: R36.2 77.625,51.75 77.975,51.4 77.975,51.275 79.603,49.647 79.603,39.897 81.5,38 106.25,38 109.25,35 115.5,35 116.469,34.031 117.669,34.031 R33.7
KEY_L1: R5.2 R13.5 VT1.1 | length 96.7
  Top Layer w0.3: R5.2 11.5,2.25 v1(11.5,1.25)
  Bottom Layer w0.3: v1(11.5,1.25) 11.85,0.9 R13.5@106.75,0.9
KEY_L2: R7.2 R13.6 VT2.1 | length 80.1
  Bottom Layer w0.3: v1@26.8,1.7 R13.6@106.879,1.7
  other v1: 27,1.75
KEY_L3: R9.2 R13.7 VT3.1 | length 63.2
  Bottom Layer w0.3: v1(43.75,2.75) 43.939,2.75 44.189,2.5 R13.7@106.879,2.5
KEY_L4: R11.2 R13.8 VT4.1 | length 46.5
  Bottom Layer w0.3: v1(60.5,3.5) 60.689,3.5 60.889,3.3 R13.8@106.879,3.3
KEY_L5: R14.2 R20.5 VT5.1 | length 30.9
  Top Layer w0.3: VT5.1 77.3,3 77.45,3.15 77.961,3.15 79.311,4.5 v1(79.5,4.5)
  Bottom Layer w0.3: v1(79.5,4.5) 79.526,4.5 80.026,4 102.474,4 103.1,4.626 R20.5
KEY_L6: R17.2 R20.6 VT6.1 | length 14
  Top Layer w0.3: VT6.1 94.05,3 94.2,3.15 94.4,3.15 v1(96.25,5)
  Bottom Layer w0.3: v1(96.25,5) 96.439,5 96.639,5.2 105.7,5.2 105.926,5.426 R20.6
KEY_L7: R19.2 R20.7 VT7.1 | length 5
  Bottom Layer w0.3: v1(102.75,8.25) 104.774,6.226 R20.7
NetC21_1: C21.1 C22.1 C23.1 C24.1 C25.1 C26.1 C27.1 K4.4 K4.9 | length 23
  Top Layer w2: K4.4 43.919,38.75 C21.1@43.919,42.5 ; C24.1@43.919,52.931 43.919,49.5 C22.1@43.919,46 ; C23.1@44.2,49.5 C27.1@45.25,49.5 ; C25.1@45.25,42.5 C21.1@43.919,42.5 ; C26.1@45.25,46 C22.1@43.919,46 ; C21.1@43.919,42.5 C22.1@43.919,46
NetC21_2: C21.2 K6.1 | length 8.1
  Top Layer w1.5: 35.875,37.225 39.9,41.25 40.55,41.25 40.55,41.9 C21.2
  Top Layer w2: K6.1@35.875,36.25 35.875,37.225
NetC22_2: C22.2 K7.1 | length 5.3
  Top Layer w1.5: K7.1@35.875,41.75 39.625,45.5
NetC23_2: C23.2 K8.1 | length 5.1
  Top Layer w1.5: K8.1@35.875,47.25 37.625,49 C23.2@40.3,49
NetC24_2: C24.2 K9.1 | length 4.3
  Top Layer w2: K9.1@35.95,52.8 C24.2@40.25,52.8
NetC25_2: C25.2 K10.1 | length 7.2
  Top Layer w1.5: C25.2@49.25,42.5 53,42.5 54.529,40.971 54.529,39.846 K10.1
NetC26_2: C26.2 K11.1 | length 5.7
  Top Layer w1.5: C26.2@49.25,46 53.74,46 54.49,45.25 K11.1
NetC27_2: C27.2 K12.1 | length 5.9
  Top Layer w1.5: C27.2@49.25,49.5 53.375,49.5 K12.1
NetK1_3: K1.3 K4.5 K4.8 L1.2 X2.1 | length 69.3
  Top Layer w1: K1.3@2.075,8.9 K1.3@2.075,16.5
  Top Layer w2: K1.3@2.075,16.5 5,19.425 L1.2 ; 4.96,33.25 4.98,33.23 4.98,28.02 L1.2 ; K4.5 37.709,30 12.5,30 11.75,29.25 6.385,29.25 5.135,28 L1.2 ; K4.5@41.42,33.711 K4.8
NetK1_4: K1.4 K2.3 L1.1 L2.2 pad.21 | length 19.8
  Top Layer w1: K2.3@18.7,7.65 K2.3@18.7,15.25
  Top Layer w2: K1.4 14.932,16.557 pad.21@14.932,18.5
  Top Layer w3: pad.21 18.25,17.25 18.7,16.587 K2.3@18.7,15.25 ; pad.21@18.575,20.53 18.575,25.72 L2.2
NetK2_4: K2.4 K3.3 L2.1 L3.2 pad.22 | length 22.2
  Top Layer w1: K3.3@35.25,7.65 K3.3@35.25,15.25
  Top Layer w2: pad.22@31.5,19.25 33.593,19.25 pad.22
  Top Layer w3: L2.1 pad.22@31.5,19.25 ; L3.2@33.158,26.299 33.348,19.584 33.348,19.5 33.358,19.243 pad.22@33.404,17.59
NetK3_4: K3.4 K5.3 L3.1 L4.2 pad.23 | length 17.1
  Top Layer w1: K5.3@51.75,7.65 K5.3@51.75,15.25
  Top Layer w2: L3.1 L3.1@43.346,18.904 ; L4.2 L4.2@47.99,23.098 ; pad.23@47.99,19.26 pad.23@48.346,18.904
  Top Layer w3: L3.1@43.346,18.904 pad.23@48.346,18.904 ; pad.23@47.99,19.26 L4.2@47.99,23.098
NetK4_3: K4.3 K4.10 K15.4 K16.4 K16.9 L7.1 | length 84.8
  Top Layer w2: K4.10 46.419,38.669 46.419,33.71 50.128,30 82.5,30 87.25,34.75 101.089,34.75 ; L7.1 103.487,33.173 K15.4 ; L7.1@101.089,33.684 101.089,34.75 ; K16.4 101.089,34.75 ; K16.4@101.13,41.17 K16.9
NetK5_4: K5.4 K13.3 L4.1 L5.2 pad.24 | length 18.4
  Top Layer w0.3: K13.3@68.25,7.65 K13.3@68.25,15.25
  Top Layer w3: L4.1 62.915,24.673 L5.2 ; pad.24@64.75,19.5 L5.2@64.75,22.994
NetK13_4: K13.4 K14.3 L5.1 L6.2 pad.25 | length 21.7
  Top Layer w1: K14.3@84.75,7.65 K14.3@84.75,15.25
  Top Layer w3: L5.1 80.165,24.673 81.5,23.338 81.5,19.475 pad.25
NetK14_4: K14.4 K15.3 L6.1 L7.2 | length 29.1
  Top Layer w0.3: L7.2 L7.2@90.892,31.445 ; L6.1@90.892,25.358 L6.1
  Top Layer w1: K15.3@98.717,19.841 K15.3@104.091,14.467
  Top Layer w2: K14.4 97.538,15.262 97.538,18.669 98.709,19.841 K15.3@98.717,19.841
  Top Layer w3: L6.1@90.892,25.358 L7.2@90.892,31.445 ; L6.1 93.385,25.173 K15.3@98.717,19.841
NetR1_1: R1.1 VD1.1 | length 2
  Top Layer w0.3: R1.1 VD1.1
NetR2_1: R2.1 VD2.1 | length 2
  Top Layer w0.3: R2.1 VD2.1
NetR3_1: R3.1 VD3.1
  other v7: 109,38.5
NetR4_1: R4.1 VD4.1 | length 1.7
  Top Layer w0.3: VD4.1 R4.1
NetR6_1: R6.1 VD5.1 | length 1.7
  Top Layer w0.3: VD5.1@38.5,2.75 R6.1
NetR8_1: R8.1 VD6.1 | length 2
  Top Layer w0.3: VD6.1 R8.1
NetR10_1: R10.1 VD7.1 | length 2
  Top Layer w0.3: VD7.1 R10.1
NetR12_1: R12.1 VD8.1 | length 2
  Top Layer w0.3: VD8.1 R12.1
NetR16_1: R16.1 VD9.1
  other v3: 112.75,17.5
NetR18_1: R18.1 VD10.1 | length 1.7
  Top Layer w0.3: VD10.1 R18.1
NetR21_1: R21.1 VD11.1 | length 1.7
  Top Layer w0.3: VD11.1 R21.1
NetR23_1: R23.1 VD12.1 | length 2
  Top Layer w0.3: VD12.1 R23.1
NetR25_1: R25.1 VD13.1 | length 1.7
  Top Layer w0.3: VD13.1 R25.1
NetR29_1: R29.1 VD14.1 | length 2
  Top Layer w0.3: R29.1 VD14.1
NetR31_1: R31.1 VD15.1 | length 2
  Top Layer w0.3: R31.1 VD15.1
NetR35_1: R35.1 VD16.1 | length 2
  Top Layer w0.3: R35.1 VD16.1
R_C1: R26.1 U2.6 | length 9.5
  Bottom Layer w0.3: R26.1 121.778,28.7 124.709,31.631 125.857,31.631 126.252,31.236 126.252,30.054 U2.6
R_C2: R26.2 U2.5 | length 10.3
  Bottom Layer w0.3: R26.2 121.871,29.5 124.502,32.131 126.064,32.131 126.902,31.293 126.902,30.054 U2.5
R_C3: R26.3 U2.4 | length 11.1
  Bottom Layer w0.3: R26.3 121.964,30.3 124.295,32.631 126.271,32.631 127.552,31.35 127.552,30.054 U2.4
R_C4: R26.4 U2.3 | length 11.8
  Bottom Layer w0.3: R26.4 122.057,31.1 124.088,33.131 126.478,33.131 128.202,31.407 128.202,30.054 U2.3
R_C5: R33.1 U2.11 | length 9.1
  Bottom Layer w0.3: R33.1 119.525,32.4 119.6,32.325 119.6,32.05 119.9,31.75 122,31.75 123.881,33.631 125.881,33.631 126.25,34 U2.11@126.25,34.75
R_C6: R33.2 U2.12 | length 10.9
  Bottom Layer w0.3: R33.2 120.2,33.2 124.25,37.25 126.5,37.25 126.903,36.847 126.903,35.516 U2.12
R_C7: R33.3 U2.13 | length 11.6
  Bottom Layer w0.3: R33.3 119.325,34.075 120.309,34.075 123.984,37.75 126.707,37.75 127.552,36.905 127.552,35.518 U2.13
R_CLK: U1.15 U2.15 X1.9 | length 49.2
  Top Layer w0.4: X1.9 129,22.379 129.5,22.879 v1@129.5,37.466
  Bottom Layer w0.4: U1.15 117.774,3.129 119.114,3.129 123.485,7.5 130,7.5 132.25,9.75 132.25,19.5 130.018,21.732 129.268,21.732 X1.9 ; U2.15 128.879,35.499 128.879,36.739 129.5,37.36 v1(129.5,37.5)
R_L1: R13.1 U1.14 | length 10.9
  Bottom Layer w0.3: R13.1 114.299,0.885 116.137,2.723 116.137,3.324 116.565,3.752 117.747,3.752 U1.14
R_L2: R13.2 U1.13 | length 11.1
  Bottom Layer w0.3: R13.2 108.504,1.61 108.89,1.61 109.04,1.46 109.074,1.46 109.149,1.385 114.092,1.385 115.637,2.93 115.637,3.531 116.508,4.402 117.747,4.402 U1.13
R_L3: R13.3 U1.12 | length 11.2
  Bottom Layer w0.3: R13.3 108.504,2.41 108.84,2.41 108.99,2.26 109.074,2.26 109.43,1.904 113.904,1.904 115.137,3.137 115.137,3.738 116.451,5.052 117.747,5.052 U1.12
R_L4: R13.4 U1.3 | length 4.1
  Bottom Layer w0.3: R13.4 108.504,3.36 109.11,3.36 109.502,3.752 112.283,3.752 U1.3
R_L5: R20.1 U1.4 | length 4
  Bottom Layer w0.3: R20.1 108.713,4.626 108.914,4.425 U1.4
R_L6: R20.2 U1.5 | length 4
  Bottom Layer w0.3: R20.2 108.513,5.351 109.734,5.351 110.01,5.075 U1.5
R_L7: R20.3 U1.6 | length 4.1
  Bottom Layer w0.3: R20.3 108.513,6.151 109.641,6.151 110.067,5.725 U1.6
R_OE: U1.8 U2.8 X1.5 | length 39.6
  Top Layer w0.3: v1@112.25,7.5 113.5,8.75 v1(118.5,8.75) ; v1@124.75,30 124.4,29.65 124.4,28.1 127.71,24.79 127.71,18.382 129,17.092 X1.5
  Bottom Layer w0.3: v1(118.5,8.75) 118.526,8.75 119.026,9.25 121.25,9.25 124.85,12.85 124.85,17.6 125.438,18.188 127.312,18.188 128.135,17.365 128.15,17.365 128.594,16.92 X1.5
  other v1: 112.5,7.5 124.575,29.825
R_OUT1: U1.9 U2.2 | length 39.3
  Top Layer w0.3: v1(130.5,18) v1(130.5,23.75)
  Bottom Layer w0.3: U1.9 121.525,7.025 123.25,8.75 129.5,8.75 131,10.25 131,17.5 v1(130.5,18) ; U2.2 128.898,30.054 128.898,31.398 129.25,31.75 130.25,31.75 130.5,31.5 v1(130.5,23.75)
R_RCLK: U1.10 U2.10 X1.7 | length 44.4
  Top Layer w0.3: v6(125.632,34.231) 125.625,34.224 125.625,28.125 v1(126.75,27)
  Bottom Layer w0.3: U1.10 121.582,6.375 123.457,8.25 129.75,8.25 131.5,10 131.5,18.75 131.024,19.226 129.234,19.226 X1.7 129,19.675 127.731,20.943 127.731,26.269 127,27 v1(126.75,27) ; U2.10 125.629,35.491 125.629,34.234 v6(125.632,34.231)
S_IN: U1.2 X1.8 | length 25.1
  Bottom Layer w0.3: U1.2 112.329,3.148 113.511,3.148 113.906,3.543 113.906,5.906 117.75,9.75 121,9.75 124.35,13.1 124.35,17.85 125.555,19.055 125.65,19.055 126.054,19.46 X1.8
S_OUT: U2.9 X1.10 | length 15.1
  Top Layer w0.4: v1(124.5,35.5) 124.5,31.25 123.5,30.25 123.5,28 125.25,26.25 125.25,23.21 X1.10
TUNE_ANT: FB3.2 X1.1 | length 4.8
  Top Layer w0.3: X1.1 133.59,11.84 v2(133.75,12)
TUNE_T: FB1.2 X1.2 | length 4.6
  Top Layer w0.3: v2(122.25,12.5) 122.25,12.375 122.785,11.84 X1.2
pads on no net: D1. K1.5 K2.5 K3.5 K5.5 K13.5 K14.5 K15.5 R20.4 R20.8 R33.4 R33.8 U1.11 U2.14 VD17.4 VD18.4 VD19.4 VD20.4 VD21.4 VD22.4 VD23.4 VD24.4 VD25.4 VD26.4 VD27.4 VD28.4 VD29.4 VD30.4 VD31.4 VD32.4 VT1. VT2. VT3. VT4. VT5. VT6. VT7. VT8. VT9. VT10. VT11. VT12. VT13. VT14. X1. X3.2 X4.2

## Polygon pours and split planes (outlines as drawn)
GND on Bottom Layer "Top" (solid, remove dead copper, pour order 5): 0,32.25 0,55 135,55 135,32.25
GND on Bottom Layer "Top" (solid, remove dead copper, pour order 6): 134.667,32.25 105.25,32.25 105.25,0 134.75,0
GND on Bottom Layer "Top" (solid, remove dead copper, pour order 3): 2.5,36.25 0,36.25 0,14.75 2.5,14.75
GND on Bottom Layer "Top" (solid, remove dead copper, pour order 2): 106,15.75 0,15.75 0,0 106,0
GND on Top Layer "Top" (solid, remove dead copper, pour order 1): 135,32.25 105.25,32.25 105.25,0 135,0
GND on Top Layer "Top" (solid, remove dead copper, pour order 0): 135,55 0,55 0,33.25 1,32.25 135,32.25
GND on Top Layer "Top" (solid, pour order 8): 107,6 100.375,6 95.5,1.125 95.5,0 107,0
GND on Top Layer "Top" (solid, remove dead copper, pour order 7): 105.5,15.75 0,15.75 0,0 105.5,0 0,0 105.5,0
GND on Top Layer "Top" (solid, remove dead copper, pour order 4): 2.5,36.25 0,36.25 0,15 2.5,15

## Keep-outs
Bottom Layer:
  lines w0.254: 42.5,45 44.25,45 46.75,45 46.75,52.75 42.5,52.75 42.5,45
Keep-Out Layer:
  the board outline again, w0.254

## Silkscreen, mask and mechanical layers (free items; w line width, h text height)
Top Overlay:
  text "ANT 2" at 90,52.25 h3
  text "ANT 1" at 105.75,52.25 h3
  text "Wolf-2 Tuner 7x7  v02" at 60.75,34.75 h2.5

## Dimensions
0,0 to 0,55 on Mechanical 13